# Altium PCB USB-UART-ISO-CP2102-V-2.PcbDoc
Units mm, origin at the board's own origin, x right, y up, seen from the top; angles counter-clockwise.
Board outline 48 x 20 mm, 2 copper layers (Top Layer, Bottom Layer), stack 0.57 mm thick; 41 components, 36 nets, 194 pads, 76 vias.
Unrouted connection lines stored in the file: 9.
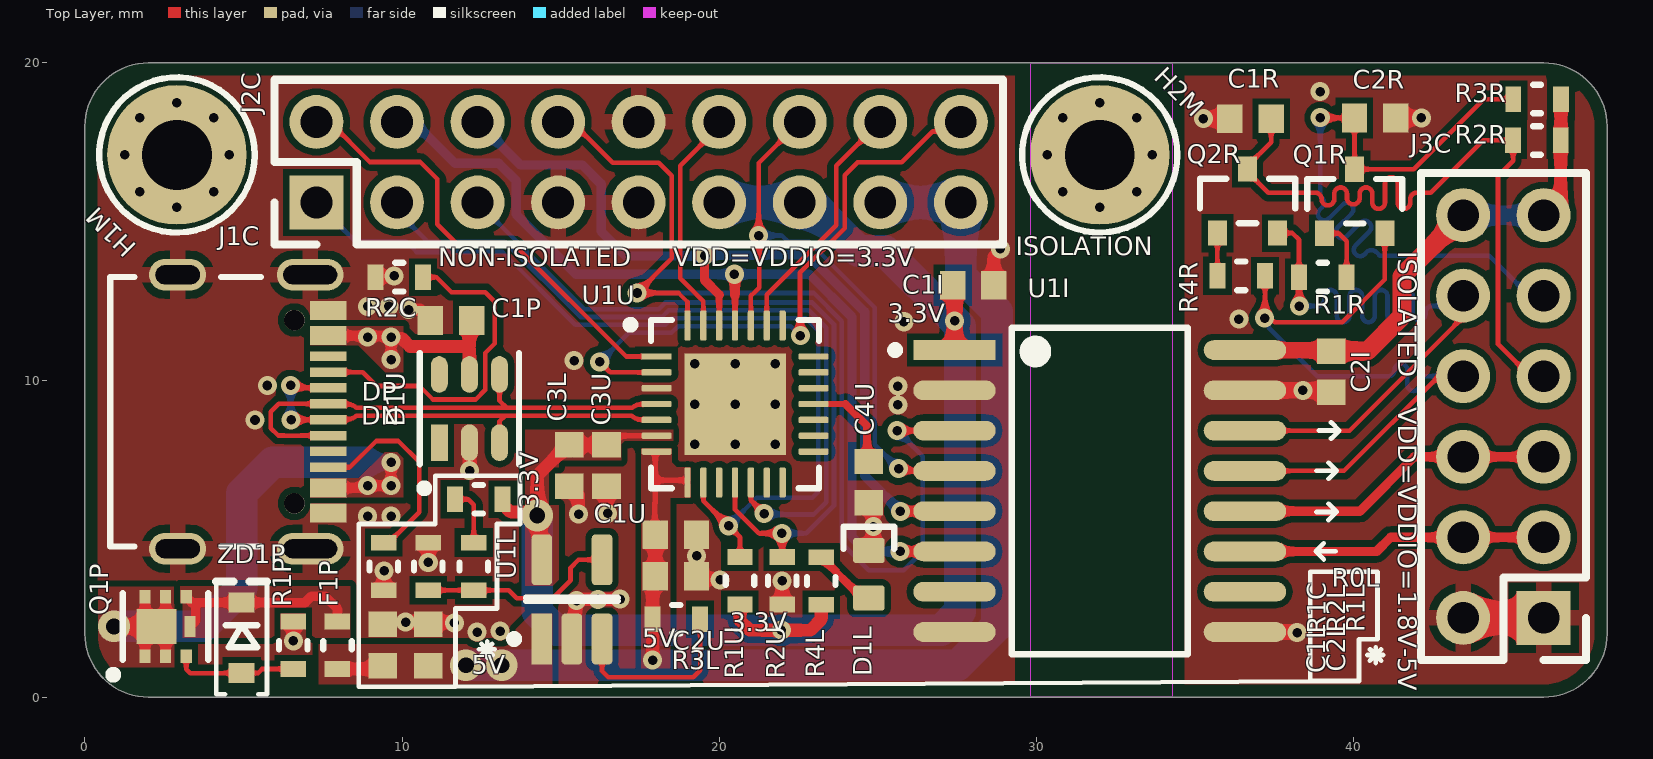
[diagram p0: Top Layer view]
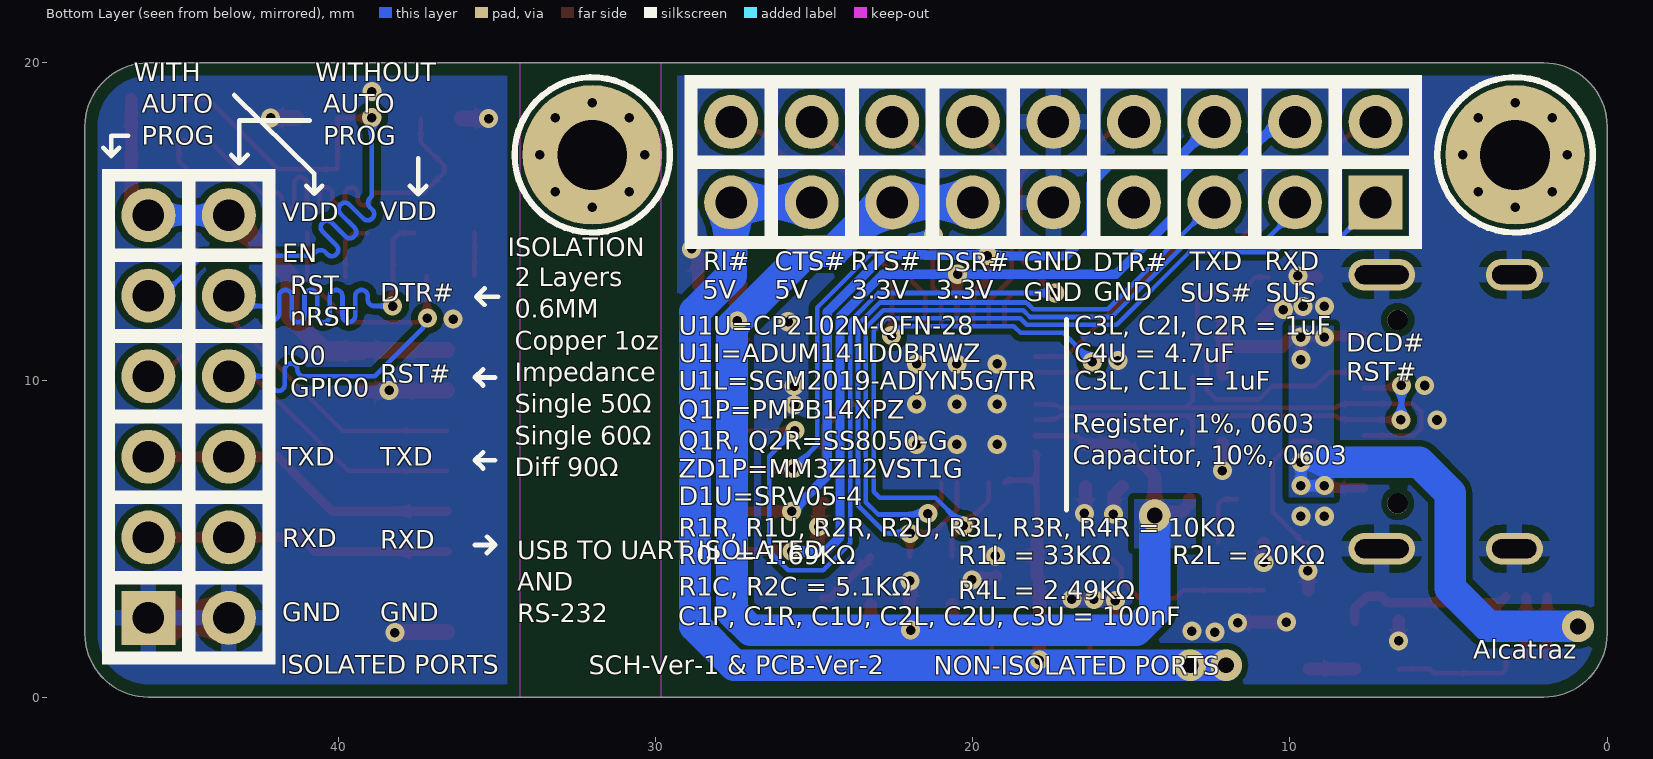
[diagram p1: Bottom Layer view, seen from below]
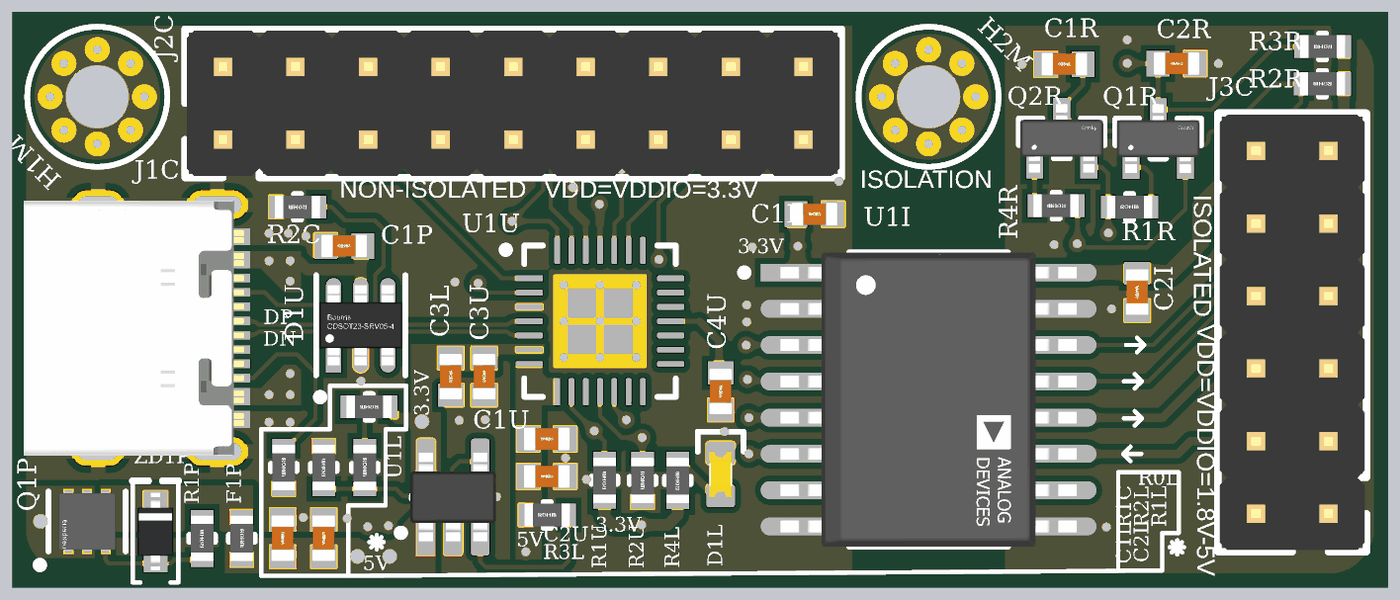
[diagram p2: 3D render of the assembled board from above, using the file's embedded part models]

## Layer stack, top to bottom
Top Solder: solder mask 0.0152, Solder Resist, Dk 3.8
Top Layer: signal copper 0.035
Dielectric: core 0.5, FR-4, Dk 4.6
Bottom Layer: signal copper 0.035
Bottom Solder: solder mask 0.0152, Solder Resist, Dk 3.8

## Board outline
-0.001,2 -0.001,18 cw(c1.999,18) 1.999,20 45.999,20 cw(c45.999,18) 47.999,18 47.999,2 cw(c45.999,2) 45.999,0 1.999,0 cw(c1.999,2)

## Design rules (kind name [scope] priority, off if disabled: settings)
AcuteAngle [All] p1: minimum=4.50000000000000E+0001 checktracksonly=TRUE
AssemblyTestPointUsage [(not InNetClass('NOTESTPOINTS'))] p1: allowmultiple=TRUE
AssemblyTestPointUsage AssemblyTestPointUsageN [InNetClass('NOTESTPOINTS')] p2: valid=2 allowmultiple=TRUE
AssemblyTestpoint [All] p1: testpointundercomponent=TRUE minsize=1.016 maxsize=2.54 preferedsize=1.524 minholesize=0 maxholesize=1.016 preferedholesize=0.813 testpointgrid=0.025 usegrid=FALSE gridtolerance=0 allowsidetop=TRUE allowsidebottom=TRUE minspacing=2.54
BoardOutlineClearance [(OnLayer('Top Layer') OR OnLayer('Bottom Layer') )] p1: gap=0.4 ignorepadtopadclearanceinfootprint=FALSE except(0.2: Text-OutlineEdge Text-CavityEdge Text-CutoutEdge Text-SplitBarrior Text-SplitContinuation)
Clearance Clearance_PowerRails_HighVoltage_Diff_Net [InNetClass('PowerRails_HighVoltage_AC') Or InNetClass('PowerRails_HighVoltage_DC') vs Not InNetClass('PowerRails_HighVoltage_AC') And Not InNetClass('PowerRails_HighVoltage_DC')] p1: gap=4 ignorepadtopadclearanceinfootprint=TRUE except(0.152: Arc-Text Track-Text SMDPad-Text THPad-Text Via-Text Fill-Text Poly-Text Region-Text Text-Text Text-Hole; 0.2: Arc-Hole Track-Hole SMDPad-Hole THPad-Hole Via-Hole Fill-Hole Poly-Hole Region-Hole)
Clearance Clearance_Via_Plugged [InComponentClass('Via_Plugged') vs IsPad] p2: gap=0.254 ignorepadtopadclearanceinfootprint=TRUE except(0.127: Arc-Arc Arc-Track Arc-SMDPad Arc-THPad Track-Track Track-SMDPad Track-THPad SMDPad-THPad THPad-THPad; 0.152: Arc-Via Arc-Text Track-Via Track-Text SMDPad-SMDPad SMDPad-Via SMDPad-Text THPad-Via THPad-Text Via-Via Via-Text Fill-Text Poly-Text Region-Text Text-Text Text-Hole; 0.2: Arc-Hole Track-Hole SMDPad-Hole THPad-Hole Via-Hole Fill-Hole Poly-Hole Region-Hole)
Clearance Clearance_Diff_Net [All] p3: gap=0.2 ignorepadtopadclearanceinfootprint=TRUE except(0.102: Arc-Arc Arc-Track Arc-SMDPad Track-Track Track-SMDPad; 0.127: Arc-THPad Arc-Via Track-THPad Track-Via SMDPad-THPad SMDPad-Via THPad-THPad THPad-Via Via-Via; 0.152: Arc-Text Track-Text SMDPad-SMDPad SMDPad-Text THPad-Text Via-Text Fill-Text Poly-Text Region-Text Text-Text Text-Hole)
ComponentClearance ComponentClearance_NetTie [((ObjectKind = 'Component') And (ComponentType = 'Net Tie')) Or (Footprint = 'StarPoint') Or (Footprint like 'NetTieVia*')] p1: gap=-3.81 collisioncheckmode=3 verticalgap=-3.81 showdistances=TRUE
ComponentClearance [All] p2: gap=0.254 collisioncheckmode=3 verticalgap=0.254 showdistances=TRUE
Creepage Creepage_PowerRails_HighVoltage_Diff_Net [InNetClass('PowerRails_HighVoltage_AC') Or InNetClass('PowerRails_HighVoltage_DC') vs Not InNetClass('PowerRails_HighVoltage_AC') And Not InNetClass('PowerRails_HighVoltage_DC')] p1: checkdistance=4 applytopolygonpour=TRUE
DiffPairsRouting DiffPairsRouting_USB_DATA [All] p1: maxlimit=0.102 minlimit=0.102 mostfreqgap=0.102 toplayer_minwidth=0.144 toplayer_maxwidth=0.144 toplayer_prefwidth=0.144 bottomlayer_minwidth=0.144 bottomlayer_maxwidth=0.144 bottomlayer_prefwidth=0.144 impedanceprofiledriven=TRUE impedanceprofileid={30A6DF90-152A-4FFB-9D1D-9B66E0427849} impedanceprofilevalue=90.000000 maxuncoupledlength=12.7
FabricationTestPointUsage [All] p1: valid=2 allowmultiple=FALSE
FabricationTestpoint [All] p1: side=3 testpointundercomponent=TRUE minsize=1.016 maxsize=2.54 preferedsize=1.524 minholesize=0 maxholesize=1.016 preferedholesize=0.813 testpointgrid=0.025 allowsidetop=TRUE allowsidebottom=TRUE usegrid=FALSE gridtolerance=0
FanoutControl [HasFootprint('QFN28_IPC_A')] p1: bgadir=Out bgaviamode=Centered fanoutstyle=Auto fanoutdirection=OutOnly viagrid=0.025
FanoutControl Fanout_BGA [IsBGA] p2: bgadir=Out bgaviamode=Centered fanoutstyle=Auto fanoutdirection=Alternating viagrid=0.025 // Fanout_BGA (Default Rule)
FanoutControl Fanout_LCC [IsLCC] p3: bgadir=Out bgaviamode=Centered fanoutstyle=Auto fanoutdirection=Alternating viagrid=0.025 // Fanout_LCC (Default Rule)
FanoutControl Fanout_SOIC [IsSOIC] p4: bgadir=Out bgaviamode=Centered fanoutstyle=Auto fanoutdirection=Alternating viagrid=0.025 // Fanout_SOIC (Default Rule)
FanoutControl Fanout_Small [(CompPinCount < 5)] p5: bgadir=Out bgaviamode=Centered fanoutstyle=Auto fanoutdirection=OutThenIn viagrid=0.025 // Fanout_Small (Default Rule)
FanoutControl Fanout_Default [All] p6: bgadir=Out bgaviamode=Centered fanoutstyle=Auto fanoutdirection=Alternating viagrid=0.025 // Fanout_Default (Default Rule)
Height [All] p1: minheight=0 maxheight=1816.048 prefheight=12.7
HoleSize [All] p1: absolutevalues=TRUE maxlimit=6.3 minlimit=0.3 maxpercent=80.000 minpercent=20.000
HoleToHoleClearance HoleToHoleClearance_Pad [ispad vs IsPad] p1: gap=0.4 allowstackedmicrovias=TRUE
Length [InNetClass('Digital_Signal_RS232_ISO')] p1: maxlimit=2540 minlimit=0 usedelayunits=TRUE mindelay=135.000000 maxdelay=140.000000
MinimumAnnularRing MinimumAnnularRing_Via [IsVia] p1: minimumring=0.074
MinimumAnnularRing MinimumAnnularRing_PTH [IsThruPin and not InComponentClass('7_MountingHoles')] p2: minimumring=0.2
MinimumSolderMaskSliver [All] p1: minsoldermaskwidth=0.13 // low as 0.1mm or 4mil
PasteMaskExpansion [All] p1: expansion=0 thpadusetoppaste=TRUE thpadusebottompaste=TRUE
PlaneConnect [All] p1: planeconnectstyle=Direct reliefexpansion=0.508 reliefentries=4 reliefconductorwidth=0.254 reliefairgap=0.254
PolygonConnect PolygonConnect_GND [InNetClass('PowerRails_GND') vs Not InNetClass('PowerRails_GND')] p1: thpad.connectstyle=Relief thpad.reliefconductorwidth=0.5 thpad.reliefentries=4 thpad.polygonreliefangle="90 Angle" thpad.airgapwidth=0.254 smdpad.connectstyle=Direct smdpad.reliefconductorwidth=0.254 smdpad.reliefentries=4 smdpad.polygonreliefangle="90 Angle" smdpad.airgapwidth=0.254 via.connectstyle=Direct via.reliefconductorwidth=0.254 via.reliefentries=4 via.polygonreliefangle="90 Angle" via.airgapwidth=0.254
PolygonConnect [All] p2: connectstyle=Direct reliefconductorwidth=0.254 reliefentries=4 polygonreliefangle="90 Angle" airgapwidth=0.254
RoutingTopology RoutingTopology_HighVoltage [InNetClass('PowerRails_HighVoltage_AC') Or InNetClass('PowerRails_HighVoltage_DC')] p1: topology=Daisy_Simple
RoutingTopology RoutingTopology_Ultra_High_Speed [InNetClass('Digital_Signal_Ultra_High_Speed') Or InNetClass('Analog_Signal_Ultra_High_Speed')] p2: topology=Daisy_Balanced
RoutingTopology RoutingTopology_High_Speed [InNetClass('Digital_Signal_High_Speed') Or InNetClass('Analog_Signal_High_Speed')] p3: topology=Daisy_Balanced
RoutingTopology RoutingTopology_Medium_Speed [InNetClass('Digital_Signal_Medium_Speed') Or InNetClass('Analog_Signal_Medium_Speed')] p4: topology=Daisy_MidDriven
RoutingTopology RoutingTopology_Low_Speed [InNetClass('Digital_Signal_Low_Speed') Or InNetClass('Analog_Signal_Low_Speed')] p5: topology=Daisy_Simple
RoutingTopology RoutingTopology_LowVoltage_DC [InNetClass('PowerRails_LowVoltage_DC')] p6: topology=Starburst
RoutingTopology RoutingTopology_GND [InNetClass('PowerRails_GND')] p7: topology=Starburst
RoutingVias [All] p1: holewidth=0.3 width=0.6 viastyle="Through Hole" minholewidth=0.3 minwidth=0.45 maxholewidth=0.5 maxwidth=1
SMDEntry [NOT InNetClass('PowerRails_LowVoltage_DC') AND NOT InNetClass('PowerRails_GND') AND NOT IsTestpoint] p1: side=TRUE corner=TRUE anyangle=FALSE
SMDNeckDown [not IsTestpoint] p1: percent=90.000
SMDToCorner [NOT InNetClass('PowerRails_LowVoltage_DC') AND NOT InNetClass('PowerRails_GND')] p1: distance=40157
ShortCircuit [All vs not IsBoardCutoutRegion] p1: allowed=FALSE
SilkToSilkClearance [All] p1: silktosilkclearance=0.102
SilkToSolderMaskClearance [All] p1: minsilkscreentomaskgap=0.15 clearancetoexposedcopper=TRUE
SolderMaskExpansion [All] p1: expansion=0.038 istentingtop=FALSE
SolderMaskExpansion SolderMaskExpansion_To_Holes [All] p2: expansion=0.102 istentingtop=FALSE soldermaskfromhole=TRUE
SupplyNets "Schematic Supply Nets_6" [InNet('GND')] p1: voltage=0.000
SupplyNets "Schematic Supply Nets_5" [InNet('+3VALW')] p2: voltage=0.000
SupplyNets "Schematic Supply Nets_4" [InNet('VCC')] p3: voltage=0.000
SupplyNets "Schematic Supply Nets_3" [InNet('+5V_BUCK')] p4: voltage=0.000
SupplyNets "Schematic Supply Nets_2" [InNet('+5V_VBUS')] p5: voltage=0.000
SupplyNets "Schematic Supply Nets_1" [InNet('+5V_VBUS#')] p6: voltage=0.000
SupplyNets "Schematic Supply Nets" [InNet('GND-ISO')] p7: voltage=0.000
UnRoutedNet [All] p1: checkbadconnections=TRUE
ViasUnderSMD [All] p1: allowed=FALSE
Width Width_Signal_50_Ohm [InNetClass('Signal_50_ohm')] p1: maxlimit=0.295 minlimit=0.18 preferedwidth=0.295 impedanceprofiledriven=TRUE impedanceprofileid={7B8391B4-C4B1-426F-A1D7-E3558501B5E8} impedanceprofilevalue=50.000000 minimp=50.000000 maximp=50.000000 favimp=50.000000
Width Width_Signal [InNetClass('Signal')] p2: maxlimit=0.146 minlimit=0.146 preferedwidth=0.146 impedanceprofiledriven=TRUE impedanceprofileid={1475B845-B360-48DC-A142-E0A238450208} impedanceprofilevalue=60.000000 minimp=50.000000 maximp=50.000000 favimp=50.000000
Width Width_Power_Signal [InNetClass('Power_Signal')] p3: maxlimit=0.4 minlimit=0.18 preferedwidth=0.254
Width Width_Power [InNetClass('PowerRails_LowVoltage_DC')] p4: maxlimit=25.4 minlimit=0.15 preferedwidth=0.3 minimp=50.000000 maximp=50.000000 favimp=50.000000
Width Width_GND [InNetClass('GND')] p5: maxlimit=25.4 minlimit=0.15 preferedwidth=0.4 minimp=50.000000 maximp=50.000000 favimp=50.000000
8 further rules are at their usual default settings.

## Classes and differential pairs
net class Digital_Signal_RS232_ISO: DTR#_ISO EN/RST/nRST_ISO IO0/GPIO0_ISO NetQ1R_1 NetQ2R_1 RTS#_ISO RXD_ISO TXD_ISO
net class Power_Signal: Power_LED VPP/NC
net class Digital_Signal_RS232: CTS# DCD# DSR# DTR# RI# RTS# RXD TXD
net class Digital_Signal_Low_Speed: CC1 CC2 CTS# DCD# DSR# DTR# DTR#_ISO EN EN/RST/nRST_ISO FB_1 FB_2 GATE_VBUS IO0/GPIO0_ISO NetQ1R_1 NetQ2R_1 RI# RST# RTS# RTS#_ISO RXD RXD_ISO SUSPEND SUSPEND# TXD TXD_ISO
net class PowerRails_LowVoltage_DC: +3VALW +5V_BUCK +5V_VBUS +5V_VBUS# Power_LED VCC VPP/NC
net class PowerRails_GND: GND GND-ISO
net class Signal_50_ohm: RXD RXD_ISO TXD TXD_ISO
differential pair class USB_DATA: CP2102_USB CP2102_USB#
component class 6_Connector: J1C J2C J3C R1C R2C
component class 5_Auto_Reset: C1R C2R Q1R Q2R R1R R2R R3R R4R
component class 4_Digital_Isolator: C1I C2I U1I
component class 3_USB_TO_UART: C1U C2U C3U C4U D1U R1U R2U U1U
component class 2_LDO: C1L C2L C3L D1L R0L R1L R2L R3L R4L U1L
net class GND: GND GND-ISO
component class 7_MountingHoles: H1M H2M
component class 1_Power_Path: C1P F1P Q1P R1P ZD1P
net class Signal: CC1 CC2 CTS# DCD# DSR# DTR# DTR#_ISO EN EN/RST/nRST_ISO FB_1 FB_2 GATE_VBUS IO0/GPIO0_ISO NetQ1R_1 NetQ2R_1 RI# RST# RTS# RTS#_ISO SUSPEND SUSPEND#
net class Power: +3VALW +5V_BUCK +5V_VBUS +5V_VBUS# Power_LED VCC VPP/NC
differential pair CP2102_USB: +CP2102_USB_P -CP2102_USB_N

## Components (designator, comment, footprint, x,y, rotation, side; value= is the part's Value field where it differs from the comment)
C1I "C0603C105K9PACTU" C0603-IPC_C_No_Silk 28.01,12.99 r0 top value=1uF
C1L "C1608X5R1A106K080AC" C0603-IPC_C_No_Silk 9.393,1.644 r90 top value=10uF
C1P "C0603C104K8RACTU" C0603-IPC_C_No_Silk 11.544,11.878 r180 top value=100nF
C1R "KGM15AR70J104KM" C0603-IPC_C_No_Silk 36.755,18.243 r180 top value=100nF
C1U "C0603C104K8RACTU" C0603-IPC_C_No_Silk 18.636,5.12 r0 top value=100nF
C2I "C0603C105K8PACTU" C0603-IPC_C_No_Silk 39.302,10.263 r270 top value=1uF
C2L "C0603C104K8RACTU" C0603-IPC_C_No_Silk 10.827,1.644 r90 top value=100nF
C2R "C0603C105K8PACTU" C0603-IPC_C_No_Silk 40.683,18.264 r0 top value=1uF
C2U "C0603C104K8RACTU" C0603-IPC_C_No_Silk 18.636,3.806 r0 top value=100nF
C3L "CL10A106KQ8NNNC" C0603-IPC_C_No_Silk 15.271,7.304 r270 top value=10uF
C3U "KGM15AR70J104KM" C0603-IPC_C_No_Silk 16.446,7.304 r270 top value=100nF
C4U "CL10A475KP8NNNC" C0603-IPC_C_No_Silk 24.721,6.783 r270 top value=4.7uF
D1L "YELLOW" LED_0603_YELLOW 24.721,3.875 r270 top
D1U "CDSOT23-SRV05-4" SOT23-6-IPC_C 12.123,9.1 r90 top
F1P "F0603" R0603-MFG 7.96,1.638 r270 top
H1M "2.2 mm" MountingHole_2.2mm_M2_Pad_Via_Mask 2.9,17.1 r0 top
H2M "2.2 mm" MountingHole_2.2mm_M2_Pad_Via_Mask 32,17.1 r0 top
J1C "USB4105-GF-A-060" USB-Type-C-16-Pin-SMT 5.3,9 r270 top
J2C "2X09" PinHeader_2x09_P2.54mm_Vertical 7.3,15.6 r90 top
J3C "2X06" PinHeader_2x06_P2.54mm_Vertical 46,2.5 r180 top
Q1P "PMPB14XPZ" DFN2020MD-MFG 2.543,2.23 r90 top
Q1R "SS8050-G" SOT-23-3-MFG 40.039,15.638 r90 top
Q2R "SS8050-G" SOT-23-3-MFG 36.662,15.646 r90 top
R0L "MCR03EZPFX1691" R0603-MFG 12.414,6.242 r180 top value=1.69kR
R1C "CRCW06035K10FKEA" R0603-MFG 9.424,4.121 r270 top value=5.1kR
R1L "ERJ-3EKF3302V" R0603-MFG 12.261,4.121 r270 top value=33kR
R1P "AC0603FR-07100KL" R0603-MFG 6.57,1.638 r90 top value=100kR
R1R "RC0603FR-0710KL" R0603-MFG 39.036,13.244 r0 top value=10kR
R1U "RC0603FR-0710KL" R0603-MFG 20.655,3.674 r90 top value=10kR
R2C "CRCW06035K10FKEA" R0603-MFG 9.908,13.244 r180 top value=5.1kR
R2L "CR0603-FX-2002ELF" R0603-MFG 10.827,4.121 r90 top value=20kR
R2R "RC0603FR-0710KL" R0603-MFG 45.788,17.557 r180 top value=10kR
R2U "RC0603FR-0710KL" R0603-MFG 21.987,3.666 r270 top value=10kR
R3L "RC0603FR-0710KL" R0603-MFG 18.65,2.457 r0 top value=10kR
R3R "RC0603FR-0710KL" R0603-MFG 45.793,18.859 r180 top value=10kR
R4L "MCR03EZPFX2491" R0603-MFG 23.22,3.663 r90 top value=2.49kR
R4R "RC0603FR-0710KL" R0603-MFG 36.465,13.286 r180 top value=10kR
U1I "ADUM141D0BRWZ" SOIC-W-16-IPC_A 32,6.5 r0 top
U1L "SGM2019-ADJYN5G/TR" TSOT-23-5-IPC-A 15.356,3.083 r90 top
U1U "CP2102N-QFN-28" QFN28_IPC_A 20.5,9.243 r0 top
ZD1P "MM3Z12VST1G" SOD-323 4.938,1.872 r90 top

## Footprints (in the part's own frame and the unit in brackets; to place one, negate y for a bottom-side part, rotate by r counter-clockwise, add the part's x,y. Pads: shape width x height; smd on the part's side, far side on the other; paste and mask are expansions set on the pad)
C0603-IPC_C_No_Silk [mm]
  rect 0.8x0.9 smd paste+0: 1(-0.65,0) 2(0.65,0)
  body extent -1.11,-0.55 1.11,0.55, height 0.25
DFN2020MD-MFG [mm]
  rect 0.43x0.35 smd paste-1000 mask+0: 1-2-5-6-7(-0.935,0) 1-2-5-6-7(-0.935,0.65) 1-2-5-6-7(0.935,0) 1-2-5-6-7(0.935,0.65) 3(-0.935,-0.65) 4-8(0.935,-0.65)
  rect 1.1x1.25 smd paste-1000 mask+0: 1-2-5-6-7(0,0.285)
  rect 0.66x0.35 smd paste-1000 mask+0: 4-8(0,-0.775)
  silkscreen extent -1.65,-1.35 1.05,1.78, body extent -1.25,-1.15 1.25,1.15, height 0.25
LED_0603_YELLOW [mm]
  rrect25% 0.8x1 smd: 1(-0.75,0) 2(0.75,0)
  silkscreen extent -1.5,-0.8 -0.8,0.8, body extent -0.8,-0.4 0.8,0.4, height 0.6
MountingHole_2.2mm_M2_Pad_Via_Mask [mm]
  round 0.8 hole 0.3 paste+0: 1(-1.65,0) 1(-1.167,-1.167) 1(-1.167,1.167) 1(0,-1.65) 1(0,1.65) 1(1.167,-1.167) 1(1.167,1.167) 1(1.65,0)
  round 4.4 hole 2.2 paste-2539.97 mask+0.102: 1(0,0)
  silkscreen extent -2.45,-2.45 2.45,2.45
PinHeader_2x06_P2.54mm_Vertical [mm]
  rect 1.7x1.7 hole 1: 1(0,0)
  rrect100% 1.7x1.7 hole 1: 2(2.54,0) 3(0,-2.54) 4(2.54,-2.54) 5(0,-5.08) 6(2.54,-5.08) 7(0,-7.62) 8(2.54,-7.62) 9(0,-10.16) 10(2.54,-10.16) 11(0,-12.7) 12(2.54,-12.7)
  silkscreen extent -1.33,-14.03 3.87,1.33, body extent -1.27,-13.97 3.81,1.27, height 8.54
PinHeader_2x09_P2.54mm_Vertical [mm]
  rect 1.7x1.7 hole 1: 1(0,0)
  rrect100% 1.7x1.7 hole 1: 2(2.54,0) 3(0,-2.54) 4(2.54,-2.54) 5(0,-5.08) 6(2.54,-5.08) 7(0,-7.62) 8(2.54,-7.62) 9(0,-10.16) 10(2.54,-10.16) 11(0,-12.7) 12(2.54,-12.7) 13(0,-15.24) 14(2.54,-15.24) 15(0,-17.78) 16(2.54,-17.78) 17(0,-20.32) 18(2.54,-20.32)
  silkscreen extent -1.33,-21.65 3.87,1.33, body extent -1.27,-21.59 3.81,1.27, height 8.54
QFN28_IPC_A [mm] "QFN, 28-Leads, Body 5x5mm, Pitch 0.5mm, Thermal Pad 3.13x3.13mm, IPC Low Density"
  rect 0.95x0.2 smd: 1(-2.475,1.5)
  rrect50% 0.95x0.2 smd: 2(-2.475,1) 3(-2.475,0.5) 4(-2.475,0) 5(-2.475,-0.5) 6(-2.475,-1) 7(-2.475,-1.5) 15(2.475,-1.5) 16(2.475,-1) 17(2.475,-0.5) 18(2.475,0) 19(2.475,0.5) 20(2.475,1) 21(2.475,1.5)
  rrect50% 0.2x0.95 smd: 8(-1.5,-2.475) 9(-1,-2.475) 10(-0.5,-2.475) 11(0,-2.475) 12(0.5,-2.475) 13(1,-2.475) 14(1.5,-2.475) 22(1.5,2.475) 23(1,2.475) 24(0.5,2.475) 25(0,2.475) 26(-0.5,2.475) 27(-1,2.475) 28(-1.5,2.475)
  rect 3.2x3.2 smd paste-1000: 29(0,0)
  silkscreen extent -3.42,-2.65 2.65,2.65, body extent -2.5,-2.5 2.5,2.5, height 1
R0603-MFG [mm]
  rect 0.5x0.8 smd paste+0: 1(-0.75,0) 2(0.75,0)
  silkscreen extent -0.13,-0.45 0.13,0.45, body extent -1.1,-0.55 1.1,0.55, height 0.25
SOD-323 [mm] "SOD, 2-Leads, Body 1.25x2.50mm, IPC Medium Density"
  rect 0.625x0.83 smd: 1(1.112,0) 2(-1.112,0)
  silkscreen extent -1.78,-0.8 1.78,0.8, body extent -1.36,-0.62 1.36,0.62, height 1.05
SOIC-W-16-IPC_A [mm]
  rect 2.598x0.622 smd paste+0 mask+0: 1(-4.578,4.445)
  rrect100% 2.598x0.622 smd paste+0 mask+0: 2(-4.578,3.175) 3(-4.578,1.905) 4(-4.578,0.635) 5(-4.578,-0.635) 6(-4.578,-1.905) 7(-4.578,-3.175) 8(-4.578,-4.445) 9(4.578,-4.445) 10(4.578,-3.175) 11(4.578,-1.905) 12(4.578,-0.635) 13(4.578,0.635) 14(4.578,1.905) 15(4.578,3.175) 16(4.578,4.445)
  silkscreen extent -6.58,-5.15 2.78,5.15, body extent -6.38,-5.65 6.38,5.65, height 0.25
SOT23-6-IPC_C [mm]
  rect 1.156x0.536 smd paste+0: 1(-1.075,0.95)
  rrect100% 1.156x0.536 smd paste+0: 2(-1.075,0) 3(-1.075,-0.95) 4(1.075,-0.95) 5(1.075,0) 6(1.075,0.95)
  silkscreen extent -2.64,-1.56 1.75,1.56, body extent -1.75,-1.56 1.75,1.56, height 0.25
SOT-23-3-MFG [mm]
  rect 0.8x0.6 smd paste+0: 1(-1.01,0.95) 2(-1.01,-0.95) 3(1.01,0)
  silkscreen extent -0.7,-1.5 0.7,1.5, body extent -1.51,-1.6 1.51,1.6, height 0.25
TSOT-23-5-IPC-A [mm] "SOT23, 5-Leads, Body 2.90x1.63mm, Pitch 0.95mm, IPC Low Density"
  rect 1.6x0.65 smd: 1(-1.25,0.95)
  rrect35% 1.6x0.65 smd: 2(-1.25,0) 3(-1.25,-0.95) 4(1.25,-0.95) 5(1.25,0.95)
  silkscreen extent -1.37,-1.45 0.05,1.95, body extent -1.55,-1.5 1.55,1.5, height 1.36
USB-Type-C-16-Pin-SMT [mm] "USB4105-GF-A-060"
  rect 0.6x1.15 smd mask+0: A1-B12(-3.2,2.378) A4-B9(-2.4,2.378) B1-A12(3.2,2.378) B4-A9(2.4,2.378)
  rect 0.3x1.15 smd mask+0: A5(-1.25,2.378) A6(-0.25,2.378) A7(0.25,2.378) B5(1.75,2.378) B6(0.75,2.378) B7(-0.75,2.378) B8(-1.75,2.378)
  rect 0.3x1.15 smd: A8(1.25,2.378)
  round 0.65 hole 0.65 unplated mask+0: MH(-2.89,1.303) MH(2.89,1.303)
  oval 1x2.1 hole 0.6 slot 1.7 at 90 deg: SH(-4.32,1.803) SH(4.32,1.803)
  oval 1x1.8 hole 0.6 slot 1.4 at 90 deg: SH(-4.32,-2.377) SH(4.32,-2.377)
  silkscreen extent -4.25,-4.5 4.25,0.25, body extent -4.47,-4.97 4.47,2.73, height 3.27
